# Altium PCB ZYNQ7010_AD9363.PcbDoc (part 2 of 5)
Units mil, origin at the board's own origin, x right, y up, seen from the top; angles counter-clockwise.
Board outline 2907.03 x 3814.03 mil, 4 copper layers (Top Layer, Mid-Layer 1, Mid-Layer 2, Bottom Layer); 280 components, 271 nets, 1467 pads, 976 vias.
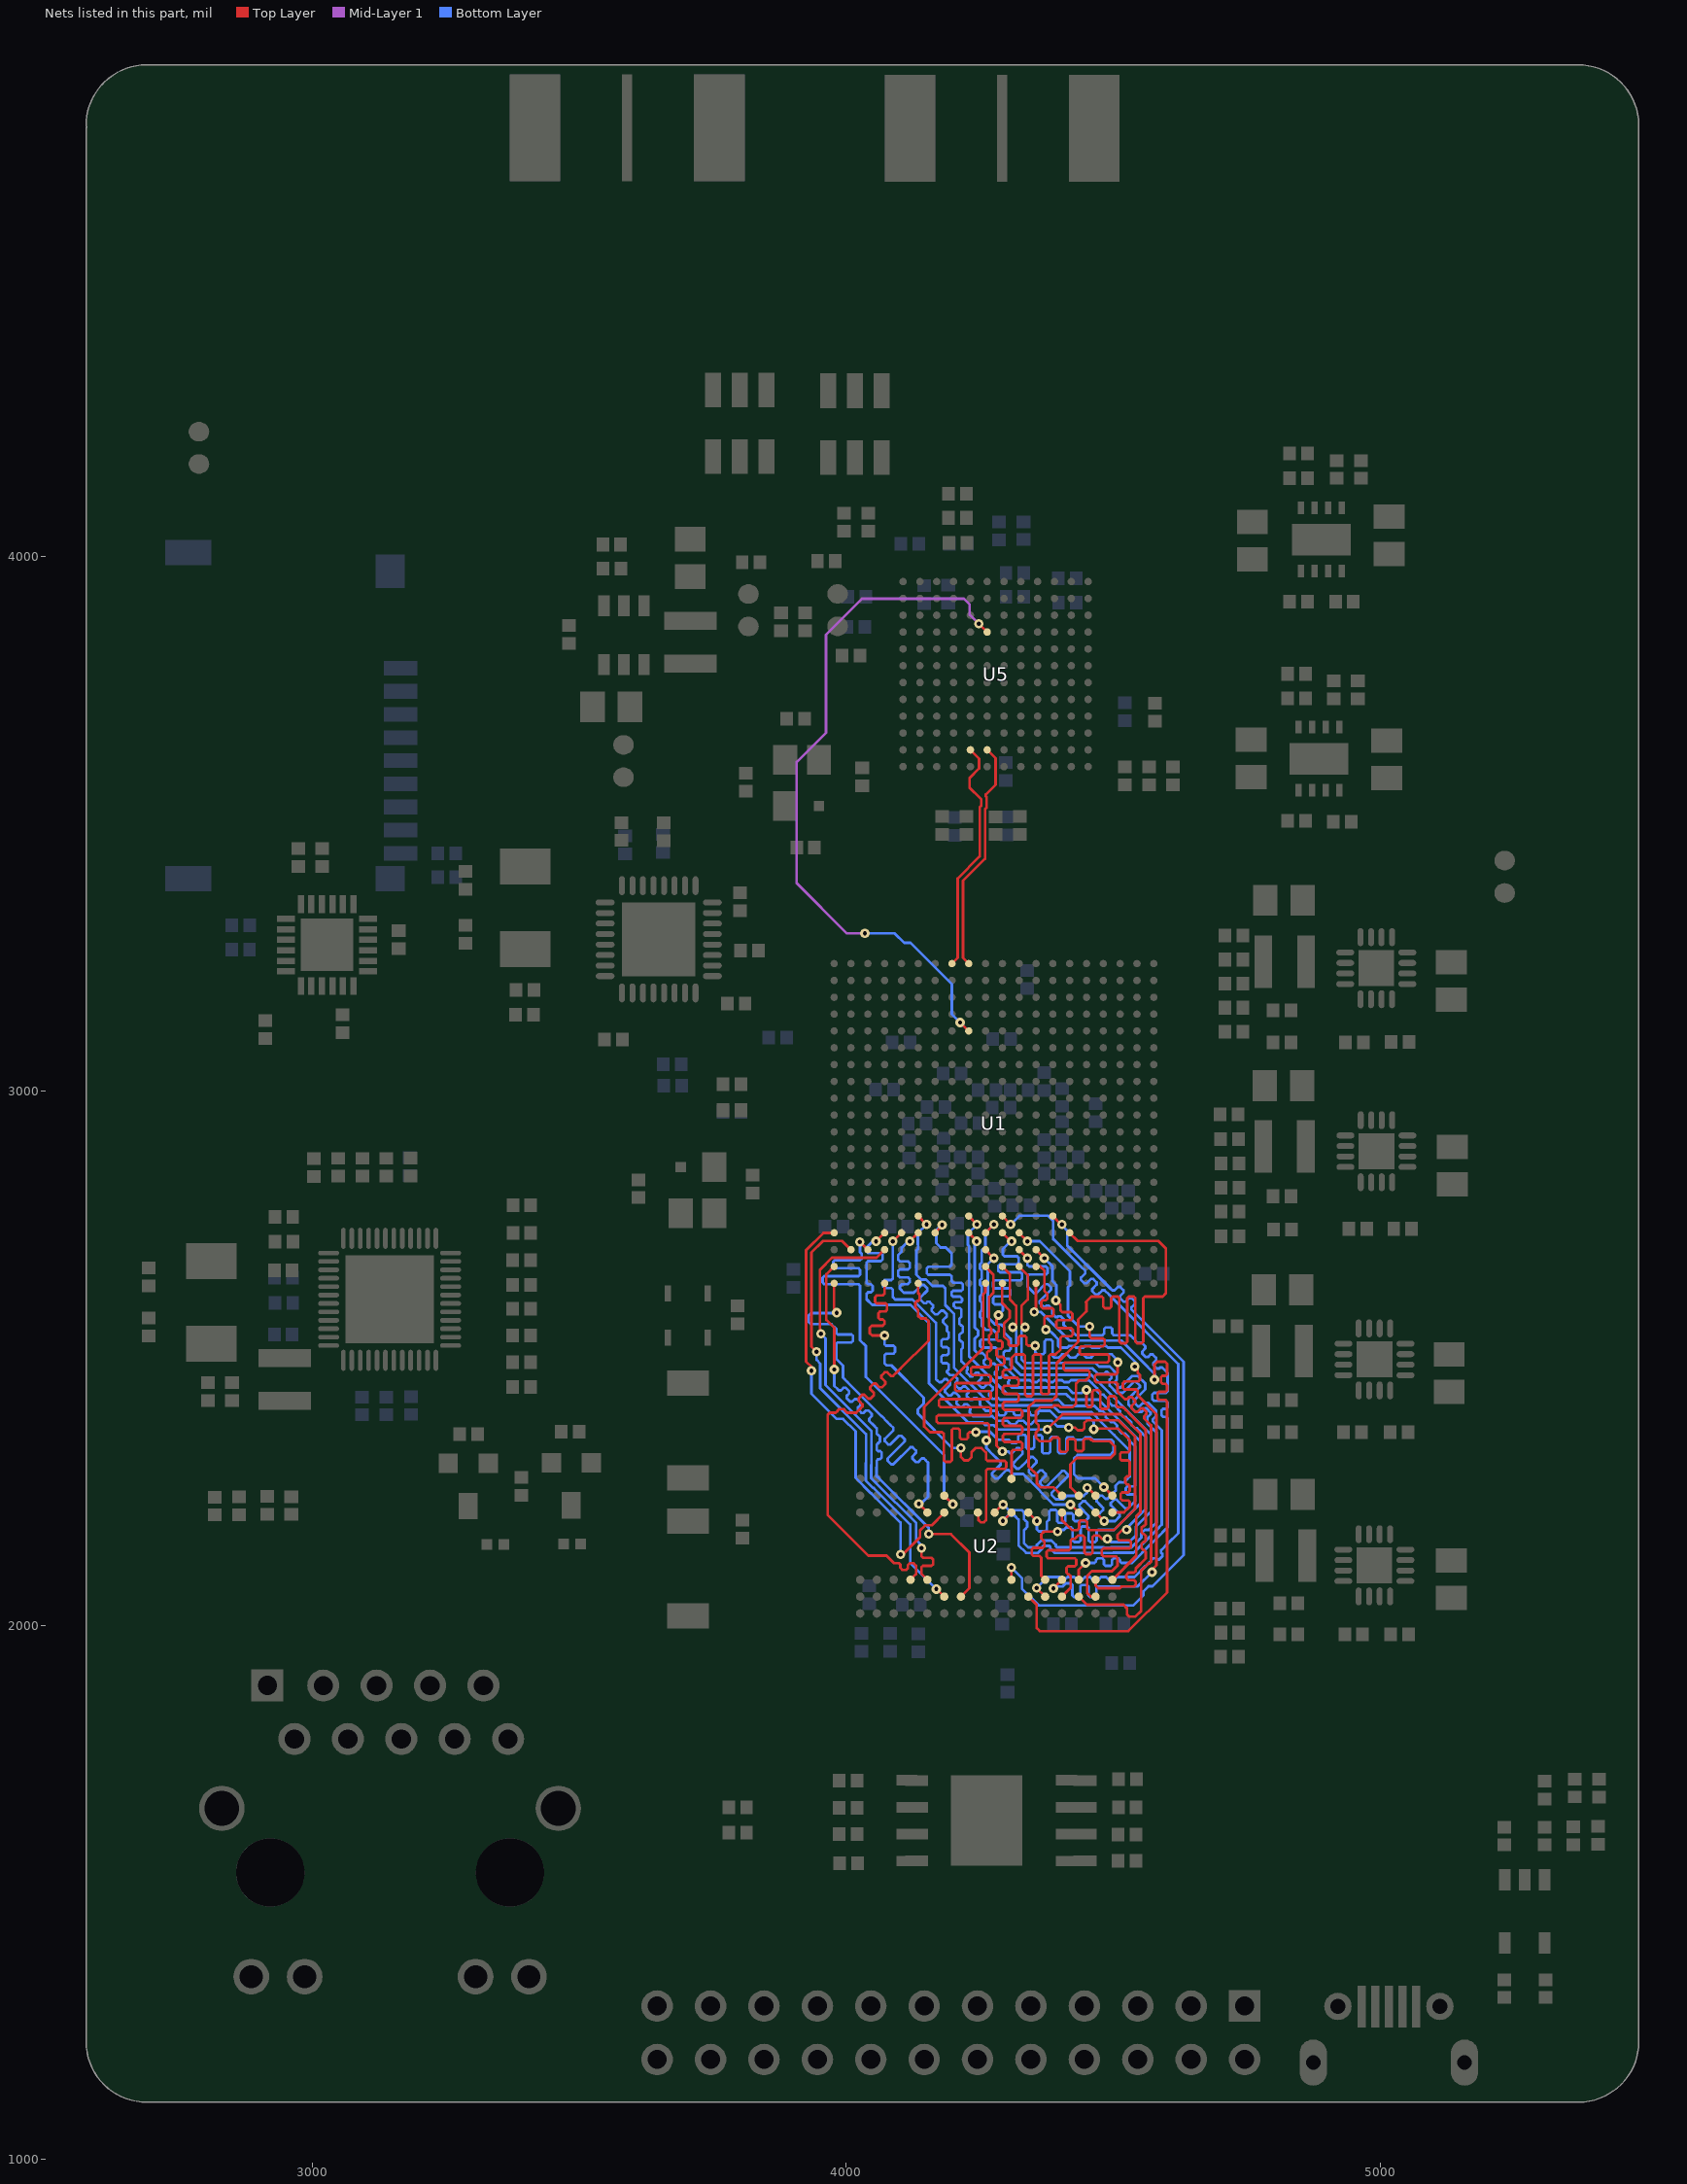
[diagram p4: the nets of this part, all layers, seen from the top]

## Via types
v1: diameter 17.72, hole 7.87, Top Layer to Bottom Layer, tented both sides, 960 vias
v2: diameter 19.68, hole 11.81, Top Layer to Bottom Layer, 16 vias

## Nets (pads, with @x,y where several pads share a name; then routed paths per layer and width w, separated by ;. In a path a pad name is that pad's centre, name@x,y a point inside that pad or via, vN(x,y) a via of type N, cw(c..) or ccw(c..) an arc to the next point about the centre after c; other vN are vias at no path point) (continued)
CTRL_OUT7: U1.J16 U5.G4 | length 1323.6
  Top Layer w5: v1(4213.31,3128.18) U1.J16@4229.05,3112.44 ; v1(4248.1,3874.85) 4248.18,3874.85 4263.51,3859.53 U5.G4@4263.51,3859.1
  Mid-Layer 1 w5: v1(4035,3295) 4001.19,3295 3907.28,3388.91 3907.28,3615.64 3962,3670.36 3962,3854 4029.36,3921.36 4220.25,3921.36 4231.25,3910.36 4231.25,3891.36 4247.76,3874.85 v1(4248.1,3874.85)
  Bottom Layer w5: v1(4035,3295) 4090.92,3295 4108.64,3277.28 4120.53,3277.28 4198,3199.81 4198,3143.49 v1(4213.31,3128.18)
DATA_CLK_N: U1.H20 U5.H11 | length 446
  Top Layer w5: U1.H20@4197.99,3238.42 4208.74,3249.17 4208.74,3397.88 4250,3439.14 4250,3531.41 4252.75,3534.15 4252.75,3546.1 4251.28,3547.57 4231,3567.85 4231,3586 4248.75,3603.75 4248.75,3622.39 U5.H11@4232.51,3638.64
DATA_CLK_P: U1.J20 U5.G11 | length 437.7
  Top Layer w5: U1.J20@4229.49,3238.42 4218.74,3249.17 4218.74,3393.74 4260,3435 4260,3527.26 4262.75,3530.01 4262.75,3550.24 4261.28,3551.71 4261.28,3554.88 4279.75,3573.35 4279.75,3622.89 U5.G11@4264,3638.64
DDR3_A0: U1.N2 U2.N3 | length 1152.3
  Top Layer w5: U1.N2@4355.12,2671.35 4362.94,2671.35 4371.26,2663.02 4371.26,2660.7 4371.26,2653.2 4371.26,2638.2 4371.26,2625.48 4373.54,2623.2 4376.54,2620.2 4376.54,2611.2 4373.54,2608.2 4371.26,2608.2 4368.12,2608.2 4365.12,2605.2 4365.12,2596.2 4368.12,2593.2 4371.26,2593.2 4385.63,2593.2 4388.63,2590.2 4388.63,2581.2 4385.63,2578.2 4374.26,2578.2 4371.26,2575.2 4371.26,2568.66 4371.26,2559.31 4375.87,2554.7 4374.48,2553.31 v1(4373.97,2553.31) ; v1(4387.93,2068.95) U2.N3@4403.98,2085 ; v1(4540.44,2484.24) 4545.9,2478.78 4545.9,2472.4 4547.02,2471.28 4550.02,2468.28 4550.02,2459.28 4547.02,2456.28 4545.9,2456.28 4521.28,2456.28 4518.28,2453.28 4518.28,2444.28 4521.28,2441.28 4542.9,2441.28 4545.9,2438.28 4545.9,2436.8 4545.9,2430.08 4580.87,2395.11 4580.87,2111.87 4572.75,2103.75 v1(4572.75,2099.39)
  Bottom Layer w5: v1(4373.97,2553.31) 4378.89,2553.31 4387.62,2544.58 4396.48,2535.72 4396.48,2523.04 4400.06,2519.46 4414.14,2519.46 4414.22,2519.46 4414.59,2519.83 4417.59,2522.83 4426.59,2522.83 4429.59,2519.83 4429.96,2519.46 4444.22,2519.46 4444.59,2519.83 4447.59,2522.83 4456.59,2522.83 4459.59,2519.83 4459.96,2519.46 4474.22,2519.46 4474.59,2519.83 4477.59,2522.83 4486.59,2522.83 4489.59,2519.83 4489.96,2519.46 4504.59,2519.46 4512.09,2519.46 4514.12,2519.46 4544.21,2489.37 4540.44,2485.6 v1(4540.44,2484.24) ; v1(4387.93,2068.95) 4391.35,2072.37 4400.88,2072.37 4405.38,2072.37 4408.38,2075.37 4411.38,2078.37 4420.38,2078.37 4423.38,2075.37 4423.38,2072.37 4423.38,2056.05 4426.38,2053.05 4435.38,2053.05 4438.38,2056.05 4438.38,2072.37 4441.38,2075.37 4450.38,2075.37 4453.38,2072.37 4453.38,2056.05 4456.38,2053.05 4465.38,2053.05 4468.38,2056.05 4468.38,2069.37 4471.38,2072.37 4521.8,2072.37 4545.73,2072.37 v1(4572.75,2099.39)
DDR3_A1: U1.K2 U2.P7 | length 1212.8
  Top Layer w5: U1.K2@4260.63,2671.35 4275.68,2656.3 4275.68,2622.19 4267.57,2614.08 4267.57,2565.74 4267.57,2559.26 4268.59,2558.24 4271.59,2555.24 4271.59,2546.24 4268.59,2543.24 4267.57,2542.22 4267.57,2529.26 4268.59,2528.24 4271.59,2525.24 4271.59,2516.24 4268.59,2513.24 4267.57,2513.24 4266.63,2513.24 4263.63,2510.24 4263.63,2501.24 4266.63,2498.24 4267.57,2498.24 4270.57,2495.24 4270.57,2486.24 4267.57,2483.24 4236.63,2483.24 4233.63,2480.24 4233.63,2471.24 4236.63,2468.24 4267.57,2468.24 4270.57,2465.24 4270.57,2456.24 4267.57,2453.24 4206.63,2453.24 4203.63,2450.24 4203.63,2441.24 4206.63,2438.24 4267.57,2438.24 4270.57,2435.24 4270.57,2426.24 4267.57,2423.24 4176.63,2423.24 4173.63,2420.24 4173.63,2411.24 4176.63,2408.24 4267.57,2408.24 4270.57,2405.24 4270.57,2396.24 4267.57,2393.24 4172.14,2393.24 4169.14,2390.24 4169.14,2381.24 4172.14,2378.24 4264.57,2378.24 4267.57,2375.24 4267.57,2369.14 4267.57,2347.34 4266.14,2345.9 v1(4262.53,2345.9) ; v1(4419.89,2225.82) 4420.65,2225.82 U2.P7@4435.47,2211
  Bottom Layer w5: v1(4262.53,2345.9) 4262.53,2331.7 4275.41,2318.83 4280.71,2313.52 4289.19,2305.04 4289.19,2300.8 4273.25,2284.85 4273.25,2280.61 4279.62,2274.25 4283.86,2274.25 4299.8,2290.19 4304.04,2290.19 4311.42,2282.81 4331.24,2282.81 4336.54,2277.51 4338.52,2275.52 4388.23,2225.82 v1(4419.89,2225.82)
DDR3_A2: U1.M3 U2.P3 | length 1212
  Top Layer w5: U1.M3@4323.62,2702.85 v1(4339.36,2687.11) ; U2.P3@4435.47,2085 4435.47,2103.81 v1(4448.19,2116.53)
  Bottom Layer w5: v1(4339.36,2687.11) 4339.36,2678.05 4339.36,2674.35 4342.36,2671.35 4373.89,2671.35 4376.89,2668.35 4376.89,2659.35 4373.89,2656.35 4342.36,2656.35 4339.36,2653.35 4339.36,2641.35 4339.36,2633.85 4348.53,2624.68 4351.71,2621.5 4355.95,2621.5 4372.86,2638.41 4377.1,2638.41 4383.46,2632.04 4383.46,2627.8 4364.44,2608.77 4362.65,2606.98 4362.65,2602.74 4369.01,2596.37 4373.25,2596.37 4375.04,2598.17 4379.29,2598.17 4385.65,2591.8 4385.65,2587.56 4385.65,2583.32 4392.01,2576.95 4396.26,2576.95 4397.5,2578.19 4401.74,2578.19 4408.1,2571.83 4408.1,2567.58 4406.86,2566.35 4406.86,2562.1 4413.23,2555.74 4417.47,2555.74 4417.39,2555.65 4417.56,2555.65 4428.08,2545.13 4430.39,2542.82 4437.89,2542.82 4452.89,2542.82 4467.89,2542.82 4479.89,2542.82 4482.89,2545.82 4482.89,2554.49 4485.89,2557.49 4494.89,2557.49 4497.89,2554.49 4497.89,2545.82 4500.89,2542.82 4512.89,2542.82 4527.89,2542.82 4531.53,2542.82 4536.83,2537.52 4545.48,2528.87 4549.4,2528.87 4553.64,2528.87 4560.01,2522.51 4560.01,2518.27 4558.05,2516.31 4554.26,2512.52 4554.26,2508.28 4560.63,2501.92 4564.87,2501.92 4568.65,2505.7 4569.61,2506.66 4573.85,2506.66 4580.22,2500.29 4580.22,2496.05 4579.26,2495.09 4575.36,2491.19 4575.36,2486.95 4581.72,2480.59 4585.97,2480.59 4587.75,2482.37 4591.99,2482.37 4600.47,2473.88 4601.87,2472.48 4601.87,2464.98 4601.87,2449.98 4601.87,2437.98 4598.87,2434.98 4576.24,2434.98 4573.24,2431.98 4573.24,2422.98 4576.24,2419.98 4598.87,2419.98 4601.87,2416.98 4601.87,2407.98 4598.87,2404.98 4593.32,2404.98 4590.32,2401.98 4590.32,2392.98 4593.32,2389.98 4598.87,2389.98 4601.87,2386.98 4601.87,2374.98 4601.87,2359.98 4601.87,2344.98 4601.87,2329.98 4601.87,2314.98 4601.87,2299.98 4601.87,2284.98 4601.87,2269.98 4601.87,2254.98 4601.87,2239.98 4601.87,2224.98 4601.87,2209.98 4601.87,2194.98 4601.87,2183.21 4596.57,2177.91 4585.96,2167.3 4575.35,2156.7 4564.75,2146.09 4554.14,2135.48 4543.53,2124.88 4535.19,2116.53 4527.69,2116.53 4515.69,2116.53 4512.69,2119.53 4512.69,2122.03 4509.69,2125.03 4500.69,2125.03 4497.69,2122.03 4497.69,2116.53 4497.69,2114.04 4494.69,2111.04 4485.69,2111.04 4482.69,2114.04 4482.69,2116.53 4482.69,2121.99 4479.69,2124.99 4470.69,2124.99 4467.69,2121.99 4467.69,2119.53 4464.69,2116.53 v1(4448.19,2116.53)
DDR3_A3: U1.K3 U2.N2 | length 1211.9
  Top Layer w5: U1.K3@4260.63,2702.85 v1(4276.37,2687.11) ; U2.N2@4403.98,2053.51 4420.09,2069.62 4420.09,2087.79 4420.09,2092.29 4417.09,2095.29 4415.43,2095.29 4412.43,2098.29 4412.43,2107.29 4415.43,2110.29 4420.09,2110.29 4427.81,2110.29 4430.81,2113.29 4430.81,2122.29 4427.81,2125.29 4420.09,2125.29 4378.01,2125.29 4375.01,2128.29 4375.01,2137.29 4378.01,2140.29 4417.09,2140.29 4420.09,2143.29 4420.09,2144.99 4420.09,2158.3 4423.55,2161.76 4428.05,2161.76 4431.05,2164.76 4431.05,2164.84 4434.05,2167.84 4443.05,2167.84 4446.05,2164.84 4446.05,2161.76 4446.05,2135.86 4449.05,2132.86 4458.05,2132.86 4461.05,2135.86 4461.05,2161.76 4461.05,2164.84 4464.05,2167.84 4473.05,2167.84 4476.05,2164.84 4476.05,2164.76 4479.05,2161.76 v1(4488.87,2161.76)
  Bottom Layer w5: v1(4276.37,2687.11) 4265.07,2675.81 4265.07,2668.31 4265.07,2653.31 4265.07,2638.31 4265.07,2623.31 4265.07,2608.31 4265.07,2593.31 4265.07,2578.31 4265.07,2576.68 4278.92,2562.83 4290.15,2562.83 4295.54,2557.44 4295.54,2548.61 4307.95,2536.19 4307.95,2528.69 4307.95,2516.69 4304.95,2513.69 4297.71,2513.69 4294.71,2510.69 4294.71,2501.69 4297.71,2498.69 4304.95,2498.69 4307.95,2495.69 4307.95,2492.37 4307.95,2487.33 4326.52,2468.76 4458.75,2468.76 4570.87,2356.64 4570.87,2213.34 4542.5,2184.97 4542.5,2168.03 4529.93,2155.46 4495.17,2155.46 v1(4488.87,2161.76)
DDR3_A4: U1.M4 U2.P8 | length 1216.4
  Top Layer w5: U1.M4@4323.62,2734.35 v1(4339.36,2718.61) ; U2.P8@4435.47,2242.49 4419.75,2258.21 4419.75,2301.31 4431.3,2312.86 4494.95,2312.86 4502.88,2320.79 4502.88,2334.73 4493.01,2344.6 4462.4,2344.6 4459.4,2347.6 ; v1(4455.84,2559.18) 4455.84,2544.51 4455.84,2540.01 4458.84,2537.01 4480.91,2537.01 4483.91,2534.01 4483.91,2525.01 4480.91,2522.01 4455.84,2522.01 4439.94,2522.01 4436.94,2519.01 4436.94,2510.01 4439.94,2507.01 4455.84,2507.01 4489.19,2507.01 4492.19,2504.01 4492.19,2495.01 4489.19,2492.01 4455.84,2492.01 4409.94,2492.01 4406.94,2489.01 4406.94,2480.01 4409.94,2477.01 4452.84,2477.01 4455.84,2474.01 4455.84,2470.52 4455.84,2465.67 4448.41,2458.25 4436.35,2458.25 4430.41,2452.3 4430.41,2414.67 4423.67,2407.93 4416.17,2407.93 4401.56,2407.93 4401.17,2408.32 4398.17,2411.32 4389.17,2411.32 4386.17,2408.32 4385.78,2407.93 4371.17,2407.93 4363.18,2407.93 4355.32,2400.07 4355.32,2392.57 4355.32,2379.37 4357.11,2377.57 4360.11,2374.57 4360.11,2365.57 4357.11,2362.57 4355.32,2360.78 4355.32,2351.17 4361.9,2344.6 4369.4,2344.6 4381.4,2344.6 4384.4,2347.6 4384.4,2348.08 4387.4,2351.08 4396.4,2351.08 4399.4,2348.08 4399.4,2344.6 4399.4,2327.62 4402.4,2324.62 4411.4,2324.62 4414.4,2327.62 4414.4,2344.6 4414.4,2345.57 4417.4,2348.57 4426.4,2348.57 4429.4,2345.57 4429.4,2344.6 4429.4,2328.99 4432.4,2325.99 4441.4,2325.99 4444.4,2328.99 4444.4,2344.6 4444.4,2346.06 4447.4,2349.06 4456.4,2349.06 4459.4,2346.06 ; 4459.4,2346.76 4459.4,2346.89
  Bottom Layer w5: v1(4339.36,2718.61) 4362.49,2718.61 4418.8,2662.3 4418.8,2636.03 4415.44,2632.67 4415.44,2579.22 4435.48,2559.18 v1(4455.84,2559.18)
DDR3_A5: U1.L1 U2.P2 | length 1219.1
  Top Layer w5: U1.L1@4292.13,2639.86 4292.13,2602.88 4306.23,2588.77 4306.23,2575.31 4295.54,2564.62 4295.54,2540.73 4304.2,2532.06 4304.2,2525.18 4306.18,2523.2 4315.03,2523.2 4319.53,2523.2 4322.53,2526.2 4322.53,2538.48 4325.53,2541.48 4334.53,2541.48 4337.53,2538.48 4337.53,2526.2 4340.53,2523.2 4341.02,2523.2 v1(4353.79,2523.2) v1@4359.48,2523.2 ; U2.P2@4435.47,2053.51 4450.85,2038.14 4519.27,2038.14 4525.85,2031.55 4525.85,2020.34 4530.36,2015.83 4541.18,2015.83 4552.12,2026.77 4552.12,2101.9 4565.97,2115.75 4567.97,2115.75 4570.87,2118.66 4570.87,2374.29 4565.48,2379.68 4558.14,2387.02 4558.14,2391.27 4562.23,2395.36 4562.23,2399.61 4555.87,2405.97 4551.63,2405.97 4545.41,2399.75 4545.13,2399.48 4540.89,2399.48 4534.53,2405.84 4534.53,2410.08 4534.8,2410.36 4541.02,2416.58 4541.02,2420.82 4534.66,2427.18 4530.41,2427.18 4526.32,2423.09 4522.07,2423.09 4513.59,2431.57 4508.28,2436.88 4508.28,2439.6 4508.28,2451.6 4505.28,2454.6 4468.84,2454.6 4465.84,2457.6 4465.84,2466.6 4468.84,2469.6 4505.28,2469.6 4508.28,2472.6 4508.28,2484.6 v1(4508.28,2492.1)
  Bottom Layer w5: v1(4353.79,2523.2) 4353.79,2511.49 4358.17,2507.11 4363.98,2507.11 4368.48,2507.11 4371.48,2510.11 4371.48,2531.58 4374.48,2534.58 4383.48,2534.58 4386.48,2531.58 4386.48,2507.11 4386.48,2503.98 4389.48,2500.98 4398.48,2500.98 4401.48,2503.98 4401.48,2504.11 4404.48,2507.11 4413.48,2507.11 4416.48,2504.11 4416.48,2503.98 4419.48,2500.98 4428.48,2500.98 4431.48,2503.98 4431.48,2504.11 4434.48,2507.11 4443.48,2507.11 4446.48,2504.11 4446.48,2503.98 4449.48,2500.98 4458.48,2500.98 4461.48,2503.98 4461.48,2504.11 4464.48,2507.11 4476.48,2507.11 4486.98,2507.11 4497.16,2507.11 4508.28,2495.98 v1(4508.28,2492.1)
DDR3_A6: U1.L4 U2.R8 | length 1154.3
  Top Layer w5: v1(4285.23,2580.68) 4281.59,2577.05 4281.59,2569.96 4281.59,2563.41 4282.54,2562.46 4285.54,2559.46 4285.54,2550.46 4282.54,2547.46 4281.59,2546.51 4281.59,2535.46 4284.59,2532.46 4289.66,2532.46 4292.66,2529.46 4292.66,2520.46 4289.66,2517.46 4284.59,2517.46 4281.59,2514.46 4281.59,2505.46 4284.59,2502.46 4293.01,2502.46 4296.01,2499.46 4296.01,2490.46 4293.01,2487.46 4284.59,2487.46 4281.59,2484.46 4281.59,2472.46 4281.59,2457.46 4281.59,2442.46 4281.59,2427.46 4281.59,2412.46 4281.59,2397.46 4281.59,2382.46 4281.59,2373.82 4281.59,2335.99 v1(4292.32,2325.27) ; U1.L4@4292.13,2734.35 4307.87,2718.61 v1(4309.68,2718.61) ; v1(4451.36,2257.33) 4452.12,2257.33 U2.R8@4466.97,2242.49
  Bottom Layer w5: v1(4285.23,2580.68) 4293.27,2588.72 4293.27,2591.16 4293.27,2597.49 4290.27,2600.49 4278.07,2600.49 4275.07,2603.49 4275.07,2612.49 4278.07,2615.49 4293.27,2615.49 4304.26,2615.49 4307.26,2618.49 4307.26,2627.49 4304.26,2630.49 4293.27,2630.49 4278.07,2630.49 4275.07,2633.49 4275.07,2642.49 4278.07,2645.49 4293.27,2645.49 4326.36,2645.49 4329.36,2648.49 4329.36,2657.49 4326.36,2660.49 4293.27,2660.49 4287.88,2660.49 4284.88,2663.49 4284.88,2672.49 4287.88,2675.49 4293.27,2675.49 4320,2675.49 4323,2678.49 4323,2687.49 4320,2690.49 4296.27,2690.49 4293.27,2693.49 4293.27,2697.99 4293.27,2704.19 4307.68,2718.61 v1(4309.68,2718.61) ; v1(4292.32,2325.27) 4302.93,2325.27 4306.11,2322.08 4310.35,2322.08 4319.79,2331.52 4324.03,2331.52 4330.39,2325.16 4330.39,2320.92 4318.84,2309.36 4313,2303.52 4313,2299.28 4319.36,2292.91 4323.6,2292.91 4329.44,2298.75 4345.72,2315.03 4349.97,2315.03 4356.33,2308.67 4356.33,2304.43 4342.17,2290.26 4342.17,2286.02 4348.53,2279.66 4352.78,2279.66 4362.8,2289.68 4367.04,2289.68 4373.41,2283.32 4373.41,2279.08 4363.38,2269.05 4363.38,2264.81 4369.75,2258.44 4373.99,2258.44 4404.29,2288.74 4408.53,2288.74 4414.89,2282.38 4414.89,2278.14 4384.6,2247.84 4384.6,2243.6 4392.37,2235.82 4406.75,2235.82 4413.11,2242.18 4426.66,2242.18 4444.62,2242.18 4451.36,2248.92 v1(4451.36,2257.33)
DDR3_A7: U1.K4 U2.R2 | length 1215
  Top Layer w5: U1.K4@4260.63,2734.35 v1(4276.37,2750.09) ; U2.R2@4466.97,2053.51 4457.89,2053.51 4451.19,2060.21 4451.19,2086.57 4451.31,2086.7 4451.31,2092.36 4460.09,2101.14 4497.53,2101.14 4507.97,2111.57 4507.97,2123.17 4507.97,2125.81 4504.97,2128.81 4481.71,2128.81 4478.71,2131.81 4478.71,2140.81 4481.71,2143.81 4507.97,2143.81 4530.21,2143.81 4533.21,2146.81 4533.21,2155.81 4530.21,2158.81 4510.97,2158.81 4507.97,2161.81 4507.97,2166.31 4507.97,2169.17 4517.52,2178.72 v1(4525.19,2178.72)
  Bottom Layer w5: v1(4276.37,2750.09) 4260.61,2734.32 4260.61,2725.47 4260.7,2725.38 4260.7,2711.83 4260.61,2711.74 4260.61,2708.48 4253.74,2701.62 4253.74,2694.12 4253.74,2679.12 4250.76,2676.14 4250.76,2667.1 4253.74,2664.12 4253.74,2649.12 4250.76,2646.14 4250.76,2637.1 4253.74,2634.12 4253.74,2619.12 4250.76,2616.14 4250.76,2607.1 4253.74,2604.12 4253.74,2589.12 4250.76,2586.14 4250.76,2577.1 4253.74,2574.12 4253.74,2560.42 4261.33,2552.83 4275.52,2552.83 4282.77,2545.57 4282.77,2540.42 4282.77,2537.7 4279.77,2534.7 4253.76,2534.7 4250.76,2531.7 4250.76,2522.7 4253.76,2519.7 4279.77,2519.7 4282.77,2516.7 4282.77,2512.2 4282.77,2498.37 4322.38,2458.76 4329.88,2458.76 4343.88,2458.76 4344.88,2457.77 4347.88,2454.77 4356.88,2454.77 4359.88,2457.77 4360.87,2458.76 4373.88,2458.76 4374.88,2457.77 4377.88,2454.77 4386.88,2454.77 4389.88,2457.77 4390.87,2458.76 4403.88,2458.76 4404.88,2457.77 4407.88,2454.77 4416.88,2454.77 4419.88,2457.77 4420.87,2458.76 4434.88,2458.76 4449.88,2458.76 4454.6,2458.76 4459.91,2453.46 4469.88,2443.49 4469.88,2442.22 4469.88,2437.98 4476.24,2431.61 4480.49,2431.61 4481.75,2431.61 4491.73,2421.64 4491.73,2417.54 4498.23,2411.03 4502.33,2411.03 4512.94,2400.43 4512.94,2396.33 4519.44,2389.82 4523.55,2389.82 4534.15,2379.21 4534.15,2375.11 4540.66,2368.61 4544.76,2368.61 4550.71,2362.66 4560.87,2352.49 4560.87,2217.48 4522.11,2178.72 v1(4525.19,2178.72)
DDR3_A8: U1.K1 U2.T8 | length 1212.4
  Top Layer w5: v1(4242.92,2361.17) 4236.66,2361.17 4230.85,2361.17 4227.85,2358.17 4227.85,2350.95 4224.85,2347.95 4215.85,2347.95 4212.85,2350.95 4212.85,2361.17 4212.85,2365.24 4209.85,2368.24 4200.85,2368.24 4197.85,2365.24 4197.85,2361.17 4197.85,2308.72 4194.85,2305.72 4185.85,2305.72 4182.85,2308.72 4182.85,2358.17 4179.85,2361.17 4167.85,2361.17 4160.35,2361.17 4156.89,2361.17 4146.17,2371.89 4146.17,2408.49 4256.48,2518.79 4256.48,2619.37 4260.63,2623.52 U1.K1@4260.63,2639.86 ; v1(4482.41,2258.54) U2.T8@4498.46,2242.49
  Bottom Layer w5: v1(4242.92,2361.17) 4244.01,2362.26 4269.31,2362.26 4284.36,2347.21 4291.86,2347.21 4304.13,2347.21 4306.86,2344.48 4309.86,2341.48 4318.86,2341.48 4321.86,2344.48 4321.86,2347.21 4321.86,2353.38 4324.86,2356.38 4333.86,2356.38 4336.86,2353.38 4336.86,2347.21 4336.86,2332.83 4339.86,2329.83 4348.86,2329.83 4351.86,2332.83 4351.86,2347.21 4351.86,2352.86 4354.86,2355.86 4363.86,2355.86 4366.86,2352.86 4366.86,2347.21 4366.86,2324.5 4369.86,2321.5 4378.86,2321.5 4381.86,2324.5 4381.86,2347.21 4381.86,2349.34 4384.86,2352.34 4393.86,2352.34 4396.86,2349.34 4396.86,2347.21 4396.86,2324.5 4399.86,2321.5 4408.86,2321.5 4411.86,2324.5 4411.86,2347.21 4411.86,2348.69 4414.86,2351.69 4423.86,2351.69 4426.86,2348.69 4428.35,2347.21 4431.53,2347.21 4437.6,2347.21 4443.44,2347.21 4445.1,2348.87 4448.1,2351.87 4457.1,2351.87 4460.1,2348.87 4461.76,2347.21 4496.21,2347.21 4500.37,2343.05 4500.37,2324.6 4494.12,2318.35 4486.62,2318.35 4471.78,2318.35 4433.12,2318.35 4426.44,2311.67 4426.44,2282.7 4434.24,2274.9 4466.06,2274.9 v1(4482.41,2258.54)
DDR3_A9: U1.J4 U2.R3 | length 1213.4
  Top Layer w5: U1.J4@4229.14,2734.35 4244.88,2718.61 v1(4244.34,2718.61) ; v1(4449.78,2440.45) 4449.78,2411.47 4453.08,2408.16 4457.58,2408.16 4460.58,2411.16 4460.58,2436.95 4463.58,2439.95 4472.58,2439.95 4475.58,2436.95 4475.58,2408.16 4475.58,2407.91 4478.58,2404.91 4487.58,2404.91 4490.58,2407.91 4490.58,2408.16 4490.58,2425.44 4493.58,2428.44 4502.58,2428.44 4505.58,2425.44 4505.58,2411.16 4508.58,2408.16 4518.07,2408.16 4523.37,2402.86 4532.64,2393.59 4560.87,2365.36 4560.87,2208.08 4560.87,2200.58 4560.87,2188.58 4557.87,2185.58 4556.16,2185.58 4553.16,2182.58 4553.16,2173.58 4556.16,2170.58 4557.87,2170.58 4560.87,2167.58 4560.87,2158.58 4557.87,2155.58 4556.21,2155.58 4553.21,2152.58 4553.21,2143.58 4556.21,2140.58 4557.87,2140.58 4560.87,2137.58 4560.87,2125.58 4560.87,2124.79 4542.12,2106.04 4542.12,2101.47 4539.02,2098.37 4528.61,2098.37 4524.22,2093.99 4524.22,2088.49 4528.52,2084.19 4539.06,2084.19 4542.12,2081.13 4542.12,2075.51 4538.98,2072.37 4515.78,2072.37 4512.51,2069.1 4471.79,2069.1 4466.97,2073.92 U2.R3@4466.97,2085